# Allegro board SG2042_EVB_V1_1.brd (continued)
## Placement (name value [footprint] x y rotation side) (continued)
C677  10uF/6.3V  [C0402_BGA]  129.6 96.15 90 bottom
C678  10uF/6.3V  [C0402_BGA]  131.55 96.15 90 bottom
C679  10uF/6.3V  [C0402_BGA]  133.5 96.15 90 bottom
C680  10uF/6.3V  [C0402_BGA]  135.45 96.15 90 bottom
C681  10uF/6.3V  [C0402_BGA]  139.5 104.15 90 bottom
C682  10uF/6.3V  [C0402_BGA]  141.47 104.15 90 bottom
C683  10uF/6.3V  [C0402_BGA]  143.42 104.15 90 bottom
C684  10uF/6.3V  [C0402_BGA]  145.37 104.15 90 bottom
C685  10uF/6.3V  [C0402_BGA]  147.32 104.15 90 bottom
C686  10uF/6.3V  [C0402_BGA]  140.5 102.15 270 bottom
C687  10uF/6.3V  [C0402_BGA]  142.45 102.15 270 bottom
C688  10uF/6.3V  [C0402_BGA]  144.4 102.15 270 bottom
C689  10uF/6.3V  [C0402_BGA]  146.35 102.15 270 bottom
C690  10uF/6.3V  [C0402_BGA]  148.3 102.15 270 bottom
C691  10uF/6.3V  [C0402_BGA]  139.5 100.15 90 bottom
C692  10uF/6.3V  [C0402_BGA]  141.47 100.15 90 bottom
C693  10uF/6.3V  [C0402_BGA]  143.42 100.15 90 bottom
C694  10uF/6.3V  [C0402_BGA]  145.37 100.15 90 bottom
C695  10uF/6.3V  [C0402_BGA]  147.32 100.15 90 bottom
C696  10uF/6.3V  [C0402_BGA]  140.5 98.15 270 bottom
C697  10uF/6.3V  [C0402_BGA]  142.45 98.15 270 bottom
C698  10uF/6.3V  [C0402_BGA]  144.4 98.15 270 bottom
C699  10uF/6.3V  [C0402_BGA]  146.35 98.15 270 bottom
C700  10uF/6.3V  [C0402_BGA]  148.3 98.15 270 bottom
C701  10uF/6.3V  [C0402_BGA]  139.5 96.15 90 bottom
C702  10uF/6.3V  [C0402_BGA]  141.47 96.15 90 bottom
C703  10uF/6.3V  [C0402_BGA]  143.42 96.15 90 bottom
C704  10uF/6.3V  [C0402_BGA]  145.37 96.15 90 bottom
C705  10uF/6.3V  [C0402_BGA]  147.32 96.15 90 bottom
C706  10uF/6.3V  [C0402_BGA]  125.47 124.15 90 bottom
C707  10uF/6.3V  [C0402_BGA]  127.47 124.15 90 bottom
C708  10uF/6.3V  [C0402_BGA]  129.47 124.15 90 bottom
C709  10uF/6.3V  [C0402_BGA]  131.47 124.15 90 bottom
C710  10uF/6.3V  [C0402_BGA]  133.47 124.15 90 bottom
C711  10uF/6.3V  [C0402_BGA]  135.45 124.15 90 bottom
C712  10uF/6.3V  [C0402_BGA]  137.42 124.15 90 bottom
C713  10uF/6.3V  [C0402_BGA]  139.5 124.15 90 bottom
C714  10uF/6.3V  [C0402_BGA]  141.47 124.15 90 bottom
C715  10uF/6.3V  [C0402_BGA]  143.47 124.15 90 bottom
C716  10uF/6.3V  [C0402_BGA]  145.47 124.15 90 bottom
C717  10uF/6.3V  [C0402_BGA]  147.47 124.15 90 bottom
C718  10uF/6.3V  [C0402_BGA]  149.47 124.15 90 bottom
C719  10uF/6.3V  [C0402_BGA]  126.47 122.15 270 bottom
C720  10uF/6.3V  [C0402_BGA]  128.47 122.15 270 bottom
C721  10uF/6.3V  [C0402_BGA]  130.47 122.15 270 bottom
C722  10uF/6.3V  [C0402_BGA]  132.47 122.15 270 bottom
C723  10uF/6.3V  [C0402_BGA]  134.47 122.15 270 bottom
C724  10uF/6.3V  [C0402_BGA]  136.45 122.15 270 bottom
C725  10uF/6.3V  [C0402_BGA]  138.52 122.15 270 bottom
C726  10uF/6.3V  [C0402_BGA]  140.5 122.15 270 bottom
C727  10uF/6.3V  [C0402_BGA]  142.47 122.15 270 bottom
C728  10uF/6.3V  [C0402_BGA]  144.47 122.15 270 bottom
C729  10uF/6.3V  [C0402_BGA]  146.47 122.15 270 bottom
C730  10uF/6.3V  [C0402_BGA]  148.47 122.15 270 bottom
C731  10uF/6.3V  [C0402_BGA]  150.47 122.15 270 bottom
C756  4.7uF_6.3V  [C0402_BGA]  128.63 116.15 270 bottom
C757  4.7uF_6.3V  [C0402_BGA]  130.57 116.15 270 bottom
C758  4.7uF_6.3V  [C0402_BGA]  132.52 116.15 270 bottom
C759  4.7uF_6.3V  [C0402_BGA]  134.47 116.15 270 bottom
C760  4.7uF_6.3V  [C0402_BGA]  136.45 116.15 270 bottom
C761  4.7uF_6.3V  [C0402_BGA]  127.65 114.15 90 bottom
C762  4.7uF_6.3V  [C0402_BGA]  129.6 114.15 90 bottom
C763  4.7uF_6.3V  [C0402_BGA]  131.55 114.15 90 bottom
C764  4.7uF_6.3V  [C0402_BGA]  133.5 114.15 90 bottom
C765  4.7uF_6.3V  [C0402_BGA]  135.45 114.15 90 bottom
C766  4.7uF_6.3V  [C0402_BGA]  128.63 112.15 270 bottom
C767  4.7uF_6.3V  [C0402_BGA]  130.57 112.15 270 bottom
C768  4.7uF_6.3V  [C0402_BGA]  132.52 112.15 270 bottom
C769  4.7uF_6.3V  [C0402_BGA]  134.47 112.15 270 bottom
C770  4.7uF_6.3V  [C0402_BGA]  136.45 112.15 270 bottom
C771  4.7uF_6.3V  [C0402_BGA]  127.65 110.15 90 bottom
C772  4.7uF_6.3V  [C0402_BGA]  129.6 110.15 90 bottom
C773  4.7uF_6.3V  [C0402_BGA]  131.55 110.15 90 bottom
C774  4.7uF_6.3V  [C0402_BGA]  133.5 110.15 90 bottom
C775  4.7uF_6.3V  [C0402_BGA]  135.45 110.15 90 bottom
C776  4.7uF_6.3V  [C0402_BGA]  128.63 108.15 270 bottom
C777  4.7uF_6.3V  [C0402_BGA]  130.57 108.15 270 bottom
C778  4.7uF_6.3V  [C0402_BGA]  132.52 108.15 270 bottom
C779  4.7uF_6.3V  [C0402_BGA]  134.47 108.15 270 bottom
C780  4.7uF_6.3V  [C0402_BGA]  136.45 108.15 270 bottom
C781  4.7uF_6.3V  [C0402_BGA]  140.5 116.15 270 bottom
C782  4.7uF_6.3V  [C0402_BGA]  142.45 116.15 270 bottom
C783  4.7uF_6.3V  [C0402_BGA]  144.4 116.15 270 bottom
C784  4.7uF_6.3V  [C0402_BGA]  146.35 116.15 270 bottom
C785  4.7uF_6.3V  [C0402_BGA]  148.3 116.15 270 bottom
C786  4.7uF_6.3V  [C0402_BGA]  139.5 114.15 90 bottom
C787  4.7uF_6.3V  [C0402_BGA]  141.47 114.15 90 bottom
C788  4.7uF_6.3V  [C0402_BGA]  143.42 114.15 90 bottom
C789  4.7uF_6.3V  [C0402_BGA]  145.37 114.15 90 bottom
C790  4.7uF_6.3V  [C0402_BGA]  147.32 114.15 90 bottom
C791  4.7uF_6.3V  [C0402_BGA]  140.5 112.15 270 bottom
C792  4.7uF_6.3V  [C0402_BGA]  142.45 112.15 270 bottom
C793  4.7uF_6.3V  [C0402_BGA]  144.4 112.15 270 bottom
C794  4.7uF_6.3V  [C0402_BGA]  146.35 112.15 270 bottom
C795  4.7uF_6.3V  [C0402_BGA]  148.3 112.15 270 bottom
C796  4.7uF_6.3V  [C0402_BGA]  139.5 110.15 90 bottom
C797  4.7uF_6.3V  [C0402_BGA]  141.47 110.15 90 bottom
C798  4.7uF_6.3V  [C0402_BGA]  143.42 110.15 90 bottom
C799  4.7uF_6.3V  [C0402_BGA]  145.37 110.15 90 bottom
C800  4.7uF_6.3V  [C0402_BGA]  147.32 110.15 90 bottom
C801  4.7uF_6.3V  [C0402_BGA]  140.5 108.15 270 bottom
C802  4.7uF_6.3V  [C0402_BGA]  142.45 108.15 270 bottom
C803  4.7uF_6.3V  [C0402_BGA]  144.4 108.15 270 bottom
C804  4.7uF_6.3V  [C0402_BGA]  146.35 108.15 270 bottom
C805  4.7uF_6.3V  [C0402_BGA]  148.3 108.15 270 bottom
C806  4.7uF_6.3V  [C0402_BGA]  128.63 104.15 270 bottom
C807  4.7uF_6.3V  [C0402_BGA]  130.57 104.15 270 bottom
C808  4.7uF_6.3V  [C0402_BGA]  132.52 104.15 270 bottom
C809  4.7uF_6.3V  [C0402_BGA]  134.47 104.15 270 bottom
C810  4.7uF_6.3V  [C0402_BGA]  136.45 104.15 270 bottom
C811  4.7uF_6.3V  [C0402_BGA]  127.65 102.15 90 bottom
C812  4.7uF_6.3V  [C0402_BGA]  129.6 102.15 90 bottom
C813  4.7uF_6.3V  [C0402_BGA]  131.55 102.15 90 bottom
C814  4.7uF_6.3V  [C0402_BGA]  133.5 102.15 90 bottom
C815  4.7uF_6.3V  [C0402_BGA]  135.45 102.15 90 bottom
C816  4.7uF_6.3V  [C0402_BGA]  128.63 100.15 270 bottom
C817  4.7uF_6.3V  [C0402_BGA]  130.57 100.15 270 bottom
C818  4.7uF_6.3V  [C0402_BGA]  132.52 100.15 270 bottom
C819  4.7uF_6.3V  [C0402_BGA]  134.47 100.15 270 bottom
C820  4.7uF_6.3V  [C0402_BGA]  136.45 100.15 270 bottom
C821  4.7uF_6.3V  [C0402_BGA]  127.65 98.15 90 bottom
C822  4.7uF_6.3V  [C0402_BGA]  129.6 98.15 90 bottom
C823  4.7uF_6.3V  [C0402_BGA]  131.55 98.15 90 bottom
C824  4.7uF_6.3V  [C0402_BGA]  133.5 98.15 90 bottom
C825  4.7uF_6.3V  [C0402_BGA]  135.45 98.15 90 bottom
C826  4.7uF_6.3V  [C0402_BGA]  128.63 96.15 270 bottom
C827  4.7uF_6.3V  [C0402_BGA]  130.57 96.15 270 bottom
C828  4.7uF_6.3V  [C0402_BGA]  132.52 96.15 270 bottom
C829  4.7uF_6.3V  [C0402_BGA]  134.47 96.15 270 bottom
C830  4.7uF_6.3V  [C0402_BGA]  136.45 96.15 270 bottom
C831  4.7uF_6.3V  [C0402_BGA]  138.52 96.15 270 bottom
C832  4.7uF_6.3V  [C0402_BGA]  140.5 104.15 270 bottom
C833  4.7uF_6.3V  [C0402_BGA]  142.45 104.15 270 bottom
C834  4.7uF_6.3V  [C0402_BGA]  144.4 104.15 270 bottom
C835  4.7uF_6.3V  [C0402_BGA]  146.35 104.15 270 bottom
C836  4.7uF_6.3V  [C0402_BGA]  148.3 104.15 270 bottom
C837  4.7uF_6.3V  [C0402_BGA]  139.5 102.15 90 bottom
C838  4.7uF_6.3V  [C0402_BGA]  141.47 102.15 90 bottom
C839  4.7uF_6.3V  [C0402_BGA]  143.42 102.15 90 bottom
C840  4.7uF_6.3V  [C0402_BGA]  145.37 102.15 90 bottom
C841  4.7uF_6.3V  [C0402_BGA]  147.32 102.15 90 bottom
C842  4.7uF_6.3V  [C0402_BGA]  140.5 100.15 270 bottom
C843  4.7uF_6.3V  [C0402_BGA]  142.45 100.15 270 bottom
C844  4.7uF_6.3V  [C0402_BGA]  144.4 100.15 270 bottom
C845  4.7uF_6.3V  [C0402_BGA]  146.35 100.15 270 bottom
C846  4.7uF_6.3V  [C0402_BGA]  148.3 100.15 270 bottom
C847  4.7uF_6.3V  [C0402_BGA]  139.5 98.15 90 bottom
C848  4.7uF_6.3V  [C0402_BGA]  141.47 98.15 90 bottom
C849  4.7uF_6.3V  [C0402_BGA]  143.42 98.15 90 bottom
C850  4.7uF_6.3V  [C0402_BGA]  145.37 98.15 90 bottom
C851  4.7uF_6.3V  [C0402_BGA]  147.32 98.15 90 bottom
C852  4.7uF_6.3V  [C0402_BGA]  140.5 96.15 270 bottom
C853  4.7uF_6.3V  [C0402_BGA]  142.45 96.15 270 bottom
C854  4.7uF_6.3V  [C0402_BGA]  144.4 96.15 270 bottom
C855  4.7uF_6.3V  [C0402_BGA]  146.35 96.15 270 bottom
C856  4.7uF_6.3V  [C0402_BGA]  126.47 124.15 270 bottom
C857  4.7uF_6.3V  [C0402_BGA]  128.47 124.15 270 bottom
C858  4.7uF_6.3V  [C0402_BGA]  130.47 124.15 270 bottom
C859  4.7uF_6.3V  [C0402_BGA]  132.47 124.15 270 bottom
C860  4.7uF_6.3V  [C0402_BGA]  134.47 124.15 270 bottom
C861  4.7uF_6.3V  [C0402_BGA]  136.45 124.15 270 bottom
C862  4.7uF_6.3V  [C0402_BGA]  138.52 124.15 270 bottom
C863  4.7uF_6.3V  [C0402_BGA]  140.5 124.15 270 bottom
C864  4.7uF_6.3V  [C0402_BGA]  142.47 124.15 270 bottom
C865  4.7uF_6.3V  [C0402_BGA]  144.47 124.15 270 bottom
C866  4.7uF_6.3V  [C0402_BGA]  146.47 124.15 270 bottom
C867  4.7uF_6.3V  [C0402_BGA]  148.47 124.15 270 bottom
C868  4.7uF_6.3V  [C0402_BGA]  150.47 124.15 270 bottom
C869  4.7uF_6.3V  [C0402_BGA]  125.47 122.15 90 bottom
C870  4.7uF_6.3V  [C0402_BGA]  127.47 122.15 90 bottom
C871  4.7uF_6.3V  [C0402_BGA]  129.47 122.15 90 bottom
C872  4.7uF_6.3V  [C0402_BGA]  131.47 122.15 90 bottom
C873  4.7uF_6.3V  [C0402_BGA]  133.47 122.15 90 bottom
C874  4.7uF_6.3V  [C0402_BGA]  135.45 122.15 90 bottom
C875  4.7uF_6.3V  [C0402_BGA]  137.42 122.15 90 bottom
C876  4.7uF_6.3V  [C0402_BGA]  139.5 122.15 90 bottom
C877  4.7uF_6.3V  [C0402_BGA]  141.47 122.15 90 bottom
C878  4.7uF_6.3V  [C0402_BGA]  143.47 122.15 90 bottom
C879  4.7uF_6.3V  [C0402_BGA]  145.47 122.15 90 bottom
C880  4.7uF_6.3V  [C0402_BGA]  147.47 122.15 90 bottom
C881  4.7uF_6.3V  [C0402_BGA]  149.47 122.15 90 bottom
C976  47uF_6.3V  [C0603]  126.56 117.83 270 bottom
C977  47uF_6.3V  [C0603]  126.56 115.24 270 bottom
C978  47uF_6.3V  [C0603]  126.56 112.65 270 bottom
C979  47uF_6.3V  [C0603]  126.56 110.06 270 bottom
C980  47uF_6.3V  [C0603]  126.56 107.46 270 bottom
C981  47uF_6.3V  [C0603]  126.56 104.82 270 bottom
C982  47uF_6.3V  [C0603]  126.56 102.23 270 bottom
C983  47uF_6.3V  [C0603]  126.56 99.64 270 bottom
C984  47uF_6.3V  [C0603]  126.56 97.05 270 bottom
C985  47uF_6.3V  [C0603]  126.56 94.46 270 bottom
C986  47uF_6.3V  [C0603]  149.38 117.83 90 bottom
C987  47uF_6.3V  [C0603]  149.38 115.24 90 bottom
C988  47uF_6.3V  [C0603]  149.38 112.65 90 bottom
C989  47uF_6.3V  [C0603]  149.38 110.06 90 bottom
C990  47uF_6.3V  [C0603]  149.38 107.46 90 bottom
C991  47uF_6.3V  [C0603]  149.38 104.82 90 bottom
C992  47uF_6.3V  [C0603]  149.38 102.23 90 bottom
C993  47uF_6.3V  [C0603]  149.38 99.64 90 bottom
C994  47uF_6.3V  [C0603]  149.38 97.05 90 bottom
C995  47uF_6.3V  [C0603]  149.38 94.46 90 bottom
C996  47uF_6.3V  [C0603]  128.55 117.81 180 bottom
C997  47uF_6.3V  [C0603]  131.19 117.81 180 bottom
C998  47uF_6.3V  [C0603]  133.83 117.81 180 bottom
C999  47uF_6.3V  [C0603]  136.47 117.81 180 bottom
C1000  47uF_6.3V  [C0603]  139.47 117.81 180 bottom
C1001  47uF_6.3V  [C0603]  142.11 117.81 180 bottom
C1002  47uF_6.3V  [C0603]  144.75 117.81 180 bottom
C1003  47uF_6.3V  [C0603]  147.4 117.81 180 bottom
C1004  47uF_6.3V  [C0603]  128.55 94.49 0 bottom
C1005  47uF_6.3V  [C0603]  131.19 94.49 0 bottom
C1006  47uF_6.3V  [C0603]  133.83 94.49 0 bottom
C1007  47uF_6.3V  [C0603]  136.47 94.49 0 bottom
C1008  47uF_6.3V  [C0603]  139.47 94.49 0 bottom
C1009  47uF_6.3V  [C0603]  142.11 94.49 0 bottom
C1010  47uF_6.3V  [C0603]  144.75 94.49 0 bottom
C1011  47uF_6.3V  [C0603]  147.4 94.49 0 bottom
C1156  100nF_25V  [C0402]  135.99 13.21 180 top
C1157  100nF_25V  [C0402]  138.63 16.89 270 bottom
C1158  100nF_25V  [C0402]  140.13 16.89 270 bottom
C1159  100nF_25V  [C0402]  141.15 16.89 270 bottom
C1160  100nF_25V  [C0402]  142.14 16.89 270 bottom
C1161  100nF_25V  [C0402]  142.9 18.16 0 bottom
C1162  100nF_25V  [C0402]  142.9 19.66 0 bottom
C1163  100nF_25V  [C0402]  142.14 21.92 90 bottom
C1164  100nF_25V  [C0402]  137.87 19.66 180 bottom
C1165  10uF/6.3V  [C0402]  137.87 18.16 180 bottom
C1167  22uF_25V  [C0805]  143.87 31.14 270 bottom
C1168  100nF_25V  [C0402]  145.47 31.83 270 bottom
C1169  1uF_16V  [C0402]  148.56 31.19 270 bottom
C1170  12pF 50V  [C0402]  145.21 29.01 0 bottom
C1171  100nF_25V  [C0402]  119.86 222.61 180 top
C1172  47uF_6.3V  [C0603]  148.95 37.21 180 bottom
C1173  47uF_6.3V  [C0603]  148.95 38.43 180 bottom
C1178  100nF_25V  [C0402]  149.17 43.61 0 bottom
C1182  330uF_30V  [CAP-SMD100-H126]  101.14 222.76 270 top
C1183  22uF_25V  [C0805]  111.53 228.27 0 top
C1184  22uF_25V  [C0805]  111.53 226.42 0 top
C1185  10uF_25V  [C0603]  111.56 224.84 0 top
C1186  100nF_25V  [C0402]  111.35 223.8 0 top
C1187  47uF_16V  [C1210]  80.72 218.9 0 bottom
C1188  22uF_10V  [C0603]  75.72 221.03 180 top
C1189  22uF_10V  [C0603]  75.72 219.71 180 top
C1190  22uF_10V  [C0603]  75.72 218.39 180 top
C1191  100nF_25V  [C0402]  75.92 217.25 180 top
C1192  47uF_16V  [C1210]  62.05 227.66 180 top
C1193  22uF_10V  [C0603]  62.36 225.35 180 top
C1194  22uF_10V  [C0603]  62.36 224.03 180 top
C1195  22uF_10V  [C0603]  62.36 222.71 180 top
C1196  100nF_25V  [C0402]  62.56 221.56 180 top
C1201  100nF_25V  [C0402]  135.28 46.63 270 top
C1207  100nF_25V  [C0402]  146.89 46.51 180 top
C1208  1uF_16V  [C0402]  85.22 222.66 90 bottom
C1209  22uF_25V  [C0805]  89.74 222.02 270 bottom
C1210  100nF_25V  [C0402]  88.32 221.23 270 bottom
C1211  100nF_25V  [C0402]  149.61 43.18 270 top
C1212  12pF 50V  [C0402]  89.08 224.87 180 bottom
C1213  47uF_6.3V  [C0603]  88.42 218.67 270 bottom
C1214  47uF_6.3V  [C0603]  89.74 218.67 270 bottom
C1215  1uF_16V  [C0402]  157.1 28.27 270 bottom
C1217  22uF_25V  [C0805]  152.4 28.22 270 bottom
C1218  100nF_25V  [C0402]  154 28.91 270 bottom
C1219  100nF_25V  [C0402]  151.51 33.6 90 bottom
C1220  12pF 50V  [C0402]  153.24 26.06 0 bottom
C1221  47uF_6.3V  [C0603]  153.59 35.59 0 bottom
C1222  47uF_6.3V  [C0603]  153.59 34.37 0 bottom
C1230  100nF_25V  [C0402]  160.3 27.28 90 top
C1231  22uF_25V  [C0805]  158.7 28.22 270 top
C1232  100nF_25V  [C0402]  157.1 28.91 270 top
C1233  1uF_16V  [C0402]  154 28.27 270 top
C1234  12pF 50V  [C0402]  157.86 26.06 180 top
C1235  47uF_6.3V  [C0603]  153.59 34.37 0 top
C1236  47uF_6.3V  [C0603]  153.59 35.59 0 top
C1239  1uF_16V  [C0402]  180.8 202.21 0 top
C1240  10uF_25V  [C0603]  182.27 200.74 90 top
C1241  10uF_25V  [C0603]  182.27 198.04 270 top
C1242  10uF_25V  [C0603]  180.01 197.59 0 bottom
C1243  10uF_25V  [C0603]  177.37 197.59 180 bottom
C1244  1uF_16V  [C0402]  170.74 202.21 0 top
C1245  10uF_25V  [C0603]  167.31 197.59 180 bottom
C1246  10uF_25V  [C0603]  172.21 198.04 270 top
C1247  10uF_25V  [C0603]  169.95 197.59 0 bottom
C1248  10uF_25V  [C0603]  172.21 200.74 90 top
C1249  1uF_16V  [C0402]  160.68 202.21 0 top
C1250  10uF_25V  [C0603]  157.25 197.59 180 bottom
C1251  10uF_25V  [C0603]  159.89 197.59 0 bottom
C1252  10uF_25V  [C0603]  162.15 198.04 270 top
C1253  10uF_25V  [C0603]  162.15 200.74 90 top
C1254  1nF 50V  [C0402]  63.14 202.51 90 top
C1255  1uF_16V  [C0402]  60.68 200.94 180 bottom
C1256  1uF_16V  [C0402]  174.35 198.09 270 top
C1257  4.7uF_6.3V  [C0402]  174.35 198.09 270 bottom
C1258  4.7uF_6.3V  [C0402]  164.29 198.09 270 bottom
C1259  1uF_16V  [C0402]  164.29 198.09 270 top
C1260  4.7uF_6.3V  [C0402]  154.23 198.09 270 bottom
C1261  1uF_16V  [C0402]  154.23 198.09 270 top
C1262  1uF_16V  [C0402]  60.68 200.08 180 bottom
C1263  1uF_16V  [C0402]  174.35 199.8 90 top
C1264  470uF_2.5V  [C7343]  154.43 175.01 180 top
C1265  470uF_2.5V  [C7343]  175.69 185.17 90 bottom
C1266  47uF_6.3V  [C0603]  175.92 179.98 180 top
C1267  47uF_6.3V  [C0603]  180.49 179.98 0 top
C1268  47uF_6.3V  [C0603]  180.49 178.77 0 top
C1269  1uF_16V  [C0402]  164.29 199.8 90 top
C1270  470uF_2.5V  [C7343]  170.66 185.17 90 bottom
C1271  470uF_2.5V  [C7343]  165.63 185.17 90 bottom
C1272  47uF_6.3V  [C0603]  165.86 179.98 180 top
C1273  47uF_6.3V  [C0603]  170.43 178.77 0 top
C1274  47uF_6.3V  [C0603]  170.43 179.98 0 top
C1275  1uF_16V  [C0402]  154.23 199.8 90 top
C1276  470uF_2.5V  [C7343]  160.6 185.17 90 bottom
C1277  47uF_6.3V  [C0603]  155.8 179.98 180 top
C1278  47uF_6.3V  [C0603]  160.38 179.98 0 top
C1279  47uF_6.3V  [C0603]  160.38 178.77 0 top
C1280  1nF_50V NC  [C0402]  170.81 194.89 90 bottom
C1281  470uF_2.5V  [C7343]  155.57 185.17 90 bottom
C1282  100nF_25V NC  [C0402]  54.76 193.73 0 top
C1283  220nF_25V  [C0402]  178.64 202.59 90 top
C1284  220nF_25V  [C0402]  158.52 202.59 270 top
C1285  1nF_50V NC  [C0402]  160.76 194.89 90 bottom
C1286  1nF_50V NC  [C0402]  180.87 194.89 90 bottom
C1287  220nF_25V  [C0402]  168.58 202.59 90 top
C1289  1uF_16V_NC  [C0402]  174.35 201.5 90 top
C1290  100nF_25V NC  [C0402]  175.64 202.21 180 top
C1291  1uF_16V_NC  [C0402]  164.29 201.5 90 top
C1292  100nF_25V NC  [C0402]  165.58 202.21 180 top
C1293  1uF_16V_NC  [C0402]  154.23 201.5 90 top
C1294  100nF_25V NC  [C0402]  155.52 202.21 180 top
C1295  1uF_16V  [C0402]  150.62 202.21 0 top
C1296  10uF_25V  [C0603]  147.19 197.59 180 bottom
C1297  10uF_25V  [C0603]  137.13 197.59 180 bottom
C1298  1uF_16V  [C0402]  130.51 202.21 0 top
C1299  10uF_25V  [C0603]  129.72 197.59 0 bottom
C1300  10uF_25V  [C0603]  127.08 197.59 180 bottom
C1301  10uF_25V  [C0603]  152.1 198.04 270 top
C1302  10uF_25V  [C0603]  149.83 197.59 0 bottom
C1303  10uF_25V  [C0603]  152.1 200.74 90 top
C1304  1uF_16V  [C0402]  140.56 202.21 0 top
C1305  10uF_25V  [C0603]  142.04 198.04 270 top
C1306  10uF_25V  [C0603]  139.78 197.59 0 bottom
C1307  10uF_25V  [C0603]  142.04 200.74 90 top
C1308  10uF_25V  [C0603]  131.98 200.74 90 top
C1309  10nF 50V  [C0402]  63.14 197.41 270 top
C1310  1uF_16V  [C0402]  134.11 198.09 270 top
C1311  1uF_16V  [C0402]  144.17 199.8 90 top
C1312  470uF_2.5V  [C7343]  140.49 185.17 90 bottom
C1313  4.7uF_6.3V  [C0402]  144.17 198.09 270 bottom
C1314  1uF_16V  [C0402]  144.17 198.09 270 top
C1315  10uF_25V  [C0603]  131.98 198.04 270 top
C1316  100nF_25V NC  [C0402]  62.69 193.73 180 top
C1317  4.7uF_6.3V  [C0402]  134.11 198.09 270 bottom
C1318  4.7uF_6.3V  [C0402]  124.05 198.09 270 bottom
C1319  1uF_16V  [C0402]  124.05 198.09 270 top
C1320  470uF_2.5V  [C7343]  150.55 185.17 90 bottom
C1321  470uF_2.5V  [C7343]  145.52 185.17 90 bottom
C1322  47uF_6.3V  [C0603]  145.75 179.98 180 top
C1323  47uF_6.3V  [C0603]  150.32 178.77 0 top
C1324  47uF_6.3V  [C0603]  150.32 179.98 0 top
C1325  1uF_16V  [C0402]  134.11 199.8 90 top
C1326  47uF_6.3V  [C0603]  135.69 179.98 180 top
C1327  47uF_6.3V  [C0603]  140.26 179.98 0 top
C1328  1uF_16V  [C0402]  124.05 199.8 90 top
C1329  470uF_2.5V  [C7343]  130.43 185.17 90 bottom
C1330  470uF_2.5V  [C7343]  125.4 185.17 90 bottom
C1331  47uF_6.3V  [C0603]  125.63 179.98 180 top
C1332  47uF_6.3V  [C0603]  130.2 179.98 0 top
C1333  47uF_6.3V  [C0603]  130.2 178.77 0 top
C1334  1nF_50V NC  [C0402]  150.7 194.89 90 bottom
C1335  470uF_2.5V  [C7343]  135.46 185.17 90 bottom
C1336  47uF_6.3V  [C0603]  140.26 178.77 0 top
C1337  1nF_50V NC  [C0402]  140.64 194.89 90 bottom
C1338  1nF_50V NC  [C0402]  130.58 194.89 90 bottom
C1339  220nF_25V  [C0402]  148.46 202.59 90 top
C1340  220nF_25V  [C0402]  138.4 202.59 90 top
C1341  220nF_25V  [C0402]  128.35 202.59 90 top
C1342  1uF_16V_NC  [C0402]  144.17 201.5 90 top
C1343  100nF_25V NC  [C0402]  145.47 202.21 180 top
C1344  1uF_16V_NC  [C0402]  134.11 201.5 90 top
C1345  100nF_25V NC  [C0402]  135.41 202.21 180 top
C1346  1uF_16V_NC  [C0402]  124.05 201.5 90 top
C1347  100nF_25V NC  [C0402]  125.35 202.21 180 top
C1348  1uF_16V  [C0402]  120.45 202.21 0 top
C1349  10uF_25V  [C0603]  117.02 197.59 180 bottom
C1350  10uF_25V  [C0603]  121.92 198.04 270 top
C1351  10uF_25V  [C0603]  119.66 197.59 0 bottom
C1352  10uF_25V  [C0603]  121.92 200.74 90 top
C1353  1uF_16V  [C0402]  110.39 202.21 0 top
C1354  10uF_25V  [C0603]  106.96 197.59 180 bottom
C1355  10uF_25V  [C0603]  111.86 198.04 270 top
C1356  10uF_25V  [C0603]  109.6 197.59 0 bottom
C1357  10uF_25V  [C0603]  111.86 200.74 90 top
C1358  1uF_16V  [C0402]  100.33 202.21 0 top
C1359  10uF_25V  [C0603]  101.8 198.04 270 top
C1360  10uF_25V  [C0603]  99.54 197.59 0 bottom
C1361  10uF_25V  [C0603]  101.8 200.74 90 top
C1362  10uF_25V  [C0603]  96.9 197.59 180 bottom
C1363  1uF_16V  [C0402]  123.04 14.33 180 top
C1364  10uF_25V  [C0603]  123.83 18.95 180 bottom
C1365  10uF_25V  [C0603]  121.56 15.8 270 top
C1366  10uF_25V  [C0603]  126.47 18.95 0 bottom
C1367  10uF_25V  [C0603]  121.56 18.49 90 top
C1368  1uF_16V  [C0402]  103.94 198.09 270 top
C1369  47uF_6.3V  [C0603]  120.14 179.98 0 top
C1370  1uF_16V  [C0402]  114 198.09 270 top
C1371  1uF_16V  [C0402]  103.94 199.8 90 top
C1372  47uF_6.3V  [C0603]  105.51 179.98 180 top
C1373  47uF_6.3V  [C0603]  110.08 179.98 0 top
C1374  47uF_6.3V  [C0603]  110.08 178.77 0 top
C1375  470uF_2.5V  [C7343]  110.54 175.01 180 top
C1376  470uF_2.5V  [C7343]  121.51 175.01 0 top
C1377  4.7uF_6.3V  [C0402]  129.49 18.44 90 bottom
C1378  4.7uF_6.3V  [C0402]  114 198.09 270 bottom
C1379  4.7uF_6.3V  [C0402]  103.94 198.09 270 bottom
C1380  470uF_2.5V  [C7343]  115.34 185.17 90 bottom
C1381  470uF_2.5V  [C7343]  120.37 185.17 90 bottom
C1382  470uF_2.5V  [C7343]  110.31 185.17 90 bottom
C1383  4.7uF_6.3V  [C0402]  93.88 198.09 270 bottom
C1384  1uF_16V  [C0402]  93.88 198.09 270 top
C1385  1uF_16V  [C0402]  129.49 18.44 90 top
C1386  1uF_16V  [C0402]  114 199.8 90 top
C1387  47uF_6.3V  [C0603]  115.57 179.98 180 top
C1388  47uF_6.3V  [C0603]  120.14 178.77 0 top
C1389  470uF_2.5V  [C7343]  105.28 185.17 90 bottom
C1390  1uF_16V  [C0402]  93.88 199.8 90 top
C1391  47uF_6.3V  [C0603]  95.45 179.98 180 top
C1392  47uF_6.3V  [C0603]  100.03 178.77 0 top
C1393  47uF_6.3V  [C0603]  100.03 179.98 0 top
C1394  1uF_16V  [C0402]  129.49 16.74 270 top
C1395  470uF_2.5V  [C7343]  123.11 30.18 270 bottom
C1396  470uF_2.5V  [C7343]  128.14 30.18 270 bottom
C1397  47uF_6.3V  [C0603]  128.02 36.58 0 top
C1398  47uF_6.3V  [C0603]  123.24 35.36 180 top
C1399  47uF_6.3V  [C0603]  128.02 35.36 0 top
C1400  1nF_50V NC  [C0402]  120.52 194.89 90 bottom
C1401  1nF_50V NC  [C0402]  110.46 194.89 90 bottom
C1402  1nF_50V NC  [C0402]  100.41 194.89 90 bottom
C1403  1nF_50V NC  [C0402]  122.96 21.21 270 bottom
C1404  220nF_25V  [C0402]  118.29 202.59 90 top
C1405  220nF_25V  [C0402]  108.23 202.59 90 top
C1406  220nF_25V  [C0402]  98.17 202.59 90 top
C1407  220nF_25V  [C0402]  125.2 13.94 270 top
C1408  1uF_16V_NC  [C0402]  114 201.5 90 top
C1409  100nF_25V NC  [C0402]  115.29 202.21 180 top
C1410  1uF_16V_NC  [C0402]  103.94 201.5 90 top
C1411  100nF_25V NC  [C0402]  105.23 202.21 180 top
C1412  1uF_16V_NC  [C0402]  93.88 201.5 90 top
C1413  100nF_25V NC  [C0402]  95.17 202.21 180 top
C1414  1uF_16V_NC  [C0402]  129.49 15.04 270 top
C1415  100nF_25V NC  [C0402]  128.19 14.33 0 top
C1416  100nF_25V  [C0402]  121.34 38.23 270 top
C1418  100nF_25V  [C0402]  122.1 40.36 0 top
C1420  100nF_25V  [C0402]  223.82 116.15 90 top
C1421  1nF 50V  [C0402]  220.14 109.52 180 top
C1422  10uF/6.3V  [C0402]  221.84 109.52 0 top
C1424  10uF/6.3V  [C0402]  223.55 108.66 0 top
C1425  10uF/6.3V  [C0402]  223.55 107.8 0 top
C1426  10uF/6.3V  [C0402]  223.55 106.93 0 top
C1427  100nF_25V  [C0402]  225.58 109.73 180 top
C1428  100nF_25V  [C0402]  228.63 107.8 90 top
C1429  100nF_25V  [C0402]  219.53 60.4 270 top
C1430  22uF_25V  [C0805]  216.05 71.45 180 top
C1431  100nF_25V  [C0402]  216.2 66.47 180 top
C1432  22uF_25V  [C0805]  216.05 69.67 180 top
C1433  22uF_25V  [C0805]  216.05 67.89 180 top
C1434  220pF 50V  [C0402]  222.1 64.52 90 top
C1435  47uF_6.3V  [C0603]  218.97 45.9 0 top
C1436  47uF_6.3V  [C0603]  218.97 44.68 0 top
C1437  47uF_6.3V  [C0603]  218.97 43.46 0 top
C1438  47uF_6.3V  [C0603]  218.97 42.24 0 top
C1439  47uF_6.3V  [C0603]  218.97 41.02 0 top
C1441  220nF_25V  [C0402]  220.37 63.68 90 top
C1442  100nF_25V  [C0402]  222.07 49.48 90 top
C1443  100nF_25V  [C0402]  221.79 46.61 270 top
C1444  100nF_25V  [C0402]  137.85 46.69 180 bottom
C1445  100nF_25V  [C0402]  140.89 49.15 270 bottom
C1446  10nF 50V  [C0402]  63.14 199.11 90 top
C1448  4.7uF_6.3V  [C0402_BGA]  150.47 105.15 90 bottom
C1450  4.7uF_6.3V  [C0402_BGA]  150.47 103.15 270 bottom
C1452  4.7uF_6.3V  [C0402_BGA]  150.47 113.15 90 bottom
C1454  4.7uF_6.3V  [C0402_BGA]  150.47 111.15 270 bottom
C1456  4.7uF_6.3V  [C0402_BGA]  125.47 105.15 90 bottom
C1458  4.7uF_6.3V  [C0402_BGA]  125.47 103.15 270 bottom
C1460  4.7uF_6.3V  [C0402_BGA]  125.47 113.15 90 bottom
C1462  4.7uF_6.3V  [C0402_BGA]  125.47 111.15 270 bottom
C1465  100nF_25V  [C0402_BGA]  133.47 92.15 90 bottom
C1466  2.2uF 6.3V  [C0402_BGA]  134.47 92.15 90 bottom
C1468  100nF_25V  [C0402_BGA]  135.47 92.15 90 bottom